# Altium PCB PS29_XYD.PCBDOC (part 3 of 3)
Units mm, origin at the board's own origin, x right, y up, seen from the top; angles counter-clockwise.
Board outline 221.69 x 138.99 mm, 2 copper layers (Top Layer, Bottom Layer); 241 components, 174 nets, 760 pads, 820 vias.
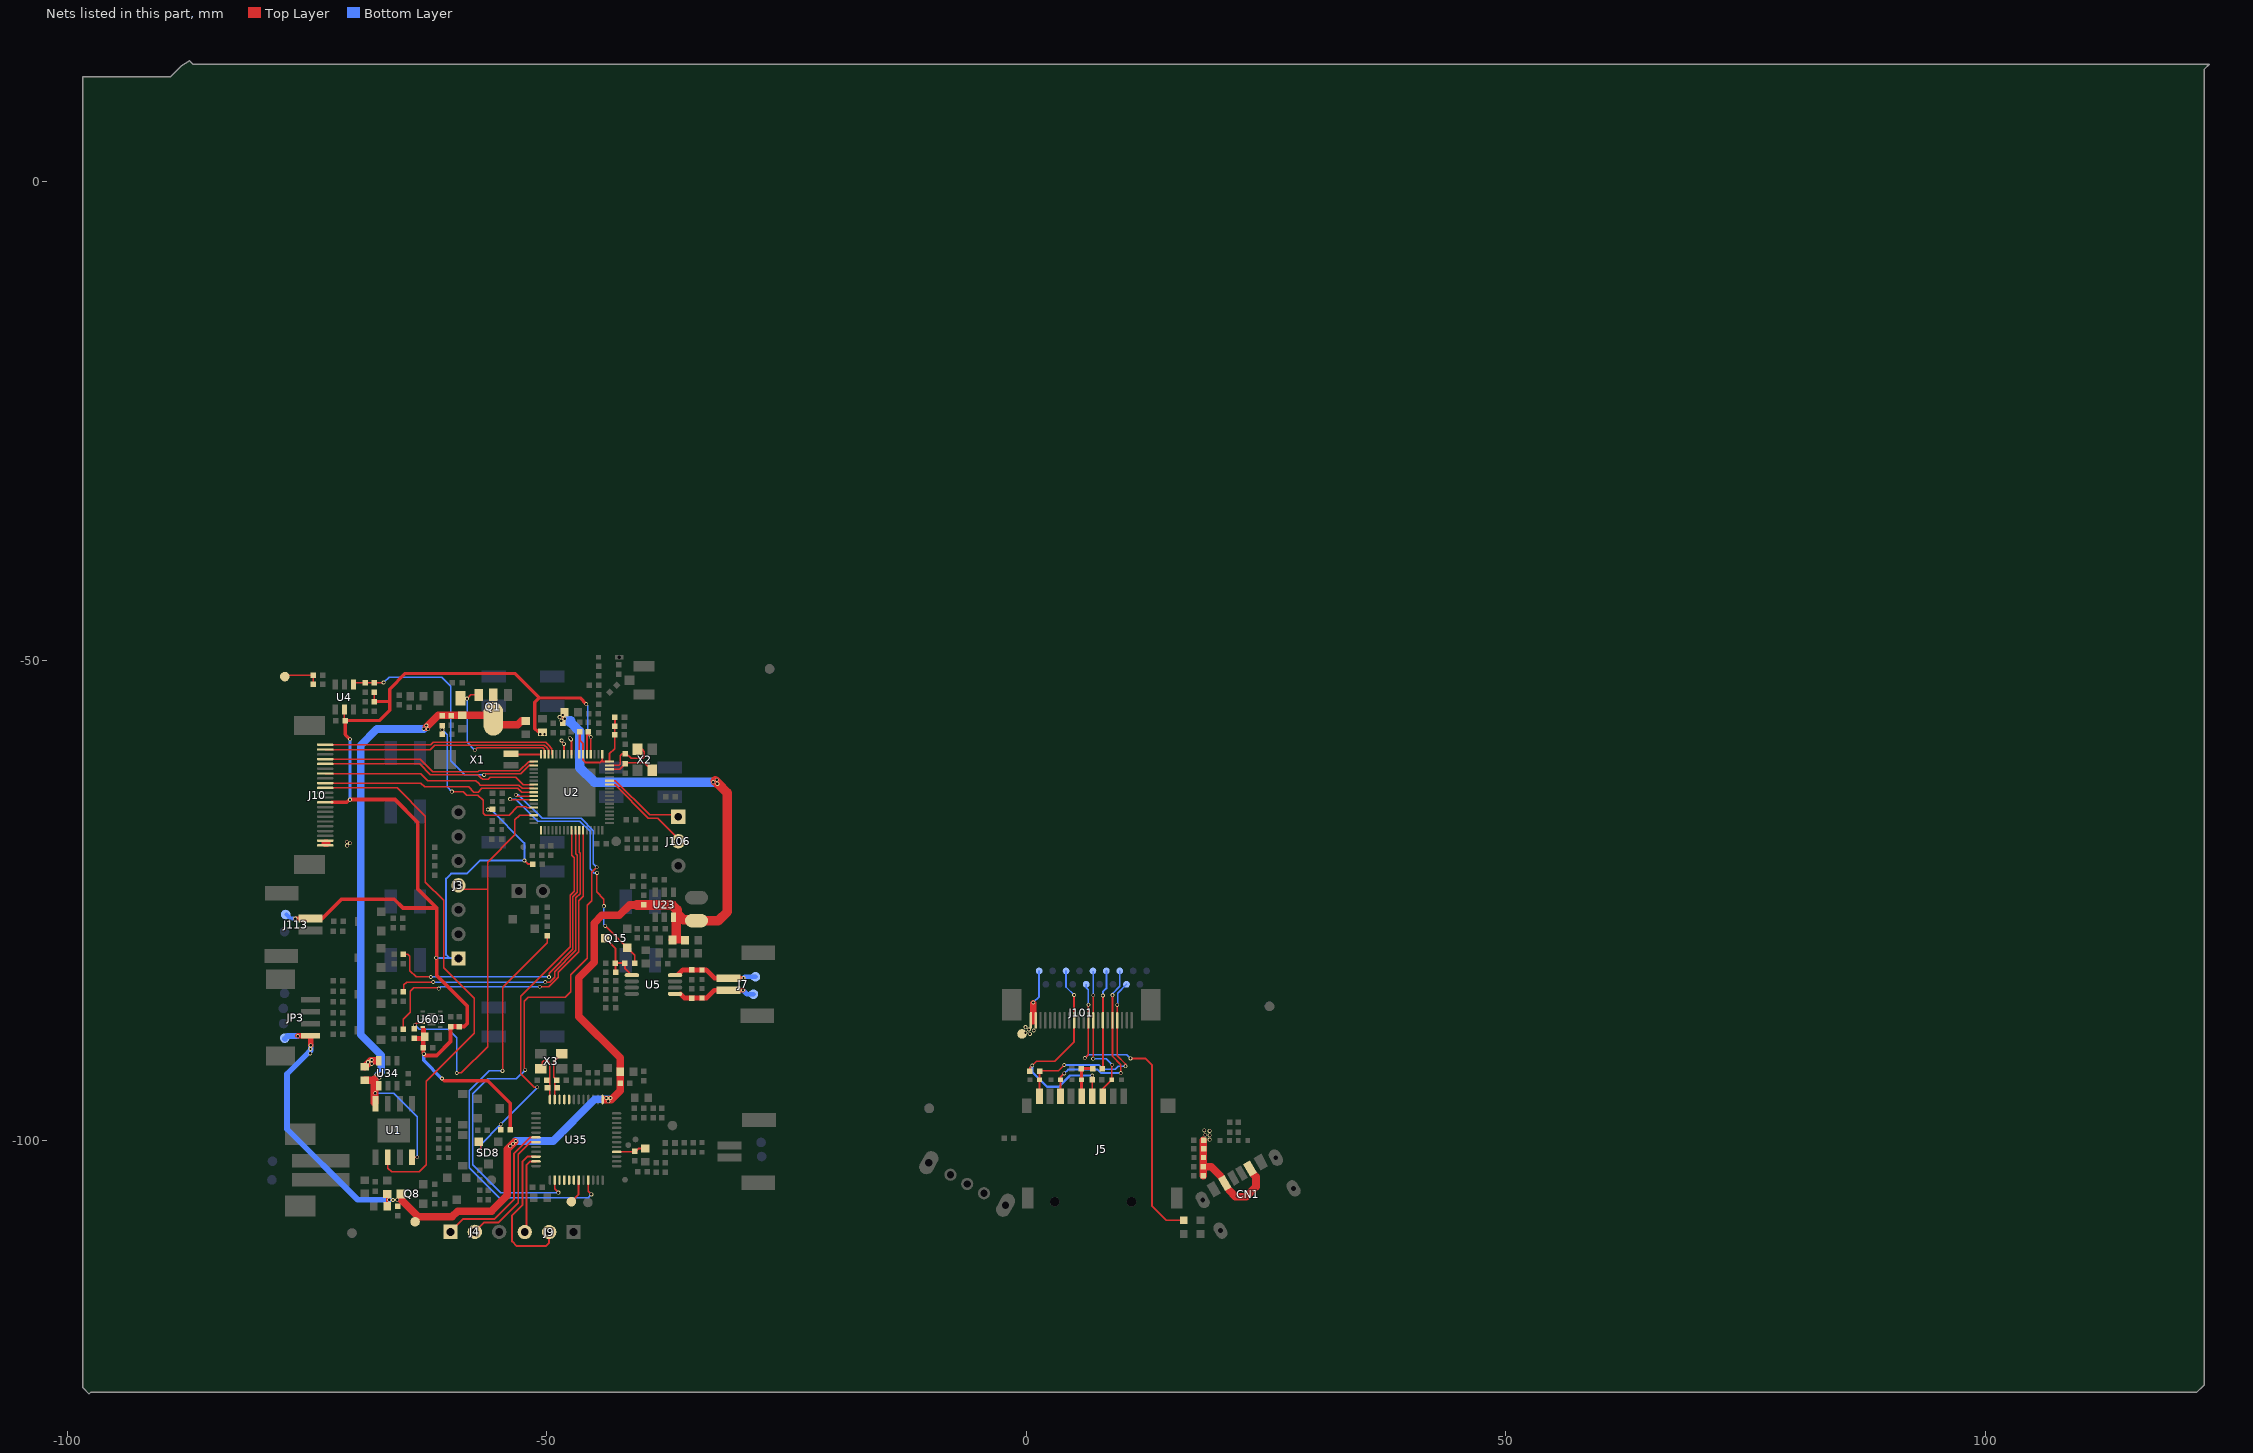
[diagram p3: the nets of this part, all layers, seen from the top]

## Via types
v1: diameter 0.4, hole 0.25, Top Layer to Bottom Layer, 820 vias

## Nets (pads, with @x,y where several pads share a name; then routed paths per layer and width w, separated by ;. In a path a pad name is that pad's centre, name@x,y a point inside that pad or via, vN(x,y) a via of type N, cw(c..) or ccw(c..) an arc to the next point about the centre after c; other vN are vias at no path point) (continued)
POWER_ON: R151.1 SD8.2 U2.43 | length 40.7
  Top Layer w0.15: v1@-56.881,-101.104 -56.881,-101.092 SD8.2@-56.881,-100.349 ; R151.1@-54.797,-98.919 v1(-54.797,-98.352) ; -51.762,-94.022 -51.937,-93.847 ; v1@-51.052,-94.492 -51.292,-94.492 -51.937,-93.847 ; U2.43@-47.357,-67.728 U2.43@-47.409,-67.677 -47.409,-70.282 -47.122,-70.568 -47.122,-74.037 -47.572,-74.487 -47.572,-79.832 -52.722,-84.982 -52.722,-93.062 -51.937,-93.847
  Bottom Layer w0.15: v1(-56.902,-101.092) -56.902,-100.457 v1(-54.797,-98.352) ; v1@-54.797,-98.347 v1@-50.992,-94.543
  other v1: -50.992,-94.472
POWER_VSYS: C3.2 C4.1 C26.1 C166.2 C180.1 C181.1 C207.1 FB2.1 JP3.1 L7.2 pad.2 POWER_VSYS.1 Q8.3 R213.1 R276.1 U2.9 U23.6 U35.13 | length 140
  Top Layer w0.2: C3.2@-66.641,-106.883 -66.641,-106.202 R213.1@-66.641,-105.603 ; v1@-53.346,-100.175 -53.237,-100.067 v1@-53.217,-100.047 ; C207.1@-48.31,-56.552 -48.31,-56.252 -48.31,-56.042 v1(-48.31,-55.672) C26.1@-48.31,-55.555 ; C207.1@-48.139,-56.381 -48.139,-56.042 -48.139,-55.672 C26.1@-48.139,-55.384 ; v1(-47.602,-58.051) -47.615,-58.051 -47.624,-58.06 -47.638,-58.075 -47.638,-58.13 -47.515,-58.254 -47.408,-58.361 -47.408,-58.787 ; U2.9@-47.408,-59.777 -47.408,-58.787 ; -47.408,-58.526 -47.408,-58.787 ; -47.408,-58.462 -47.408,-58.787 ; FB2.1@-36.884,-79.107 -36.822,-79.045 FB2.1@-36.822,-79.01 ; U23.6@-36.822,-76.785 U23.6@-36.786,-76.75
  Top Layer w0.6: v1@-75.931,-89.11 JP3.1@-74.613,-89.11 v1(-74.613,-90.112)
  Top Layer w0.8: -65.212,-106.162 -65.202,-106.162 -65.012,-106.352 -63.372,-107.992 -59.882,-107.992 -59.292,-107.402 -55.762,-107.402 -54.112,-105.752 -54.112,-100.942 -53.812,-100.642 -53.527,-100.357 v1@-53.346,-100.175 ; v1@-43.883,-95.77 -43.782,-95.77 -43.572,-95.77 -43.352,-95.77 -43.273,-95.77 -43.229,-95.725 -42.348,-94.844 -42.348,-94.042 C180.1@-42.348,-92.874 -42.348,-91.416 -46.662,-87.102 -46.662,-83.062 -45.052,-81.452 -45.052,-77.372 -44.242,-76.562 -42.432,-76.562 -41.352,-75.482 -40.612,-75.482 ; FB2.1@-36.884,-79.107 C166.2@-35.591,-79.107
  Top Layer w1: -40.612,-75.482 -39.87,-75.482 -36.932,-75.482 -36.41,-76.004 -36.41,-76.374 -35.759,-77.024 -34.382,-77.024 L7.2@-34.129,-77.024 ; FB2.1@-36.517,-78.955 U23.6@-36.517,-76.75 ; L7.2@-34.382,-77.107 -32.098,-77.107 -31.182,-76.192 -31.182,-63.797 -32.165,-62.814 -32.415,-62.564 v1@-32.43,-62.549
  Bottom Layer w0.2: v1(-48.132,-56.042) -47.732,-56.042 -47.492,-56.282
  Bottom Layer w0.6: pad.2@-77.302,-89.432 -77.272,-89.402 -77.012,-89.142 v1(-75.952,-89.142) ; v1(-74.613,-90.112) -74.613,-90.492 -74.613,-90.642 -74.787,-90.817 -77.072,-93.102 -77.072,-98.832 -69.702,-106.202 v1(-66.432,-106.202)
  Bottom Layer w0.8: v1(-53.222,-100.082) -49.332,-100.082 -44.972,-95.722 -43.782,-95.722 -43.572,-95.722 v1@-43.452,-95.722
  Bottom Layer w1: -47.942,-56.282 -47.492,-56.282 ; -47.492,-56.452 -46.562,-57.382 -46.562,-61.142 -45.032,-62.672 v1@-32.672,-62.672
  other v1: -66.022,-106.232 -65.602,-106.212 -53.822,-100.632 -53.512,-100.372 -43.572,-95.932 -43.782,-95.602 -43.352,-95.602 -74.652,-90.952 -74.632,-90.492 -32.202,-62.852 -32.632,-62.672 -32.282,-62.432 -47.472,-58.211 -48.482,-56.252 -48.662,-55.892
PWM1: R288.1 U2.44 | length 33.7
  Top Layer w0.15: R288.1@-64.934,-80.605 -64.472,-80.605 -64.262,-80.815 -64.262,-82.312 -63.592,-82.982 v1(-62.092,-82.982) ; v1@-49.782,-82.922 v1@-49.762,-82.922 ; v1@-49.722,-82.962 -49.727,-82.957 v1(-49.762,-82.992) v1@-49.762,-82.922 ; U2.44@-47.009,-67.677 -46.992,-67.693 -46.992,-70.112 -46.822,-70.282 -46.822,-74.172 -47.272,-74.622 -47.272,-80.087 -49.762,-82.577 v1@-49.762,-82.922
  Bottom Layer w0.15: v1(-62.092,-82.982) -62.082,-82.972 v1@-49.762,-82.972
PWM2: R287.1 U2.45 | length 33.2
  Top Layer w0.15: R287.1@-64.934,-84.517 -64.886,-84.468 -64.886,-83.795 -64.602,-83.512 v1(-61.832,-83.512) ; v1(-50.162,-83.522) -49.691,-83.522 -49.187,-83.017 -49.187,-82.426 -46.952,-80.192 -46.952,-74.747 -46.522,-74.317 -46.522,-70.088 -46.609,-70.002 U2.45@-46.609,-67.677
  Bottom Layer w0.15: v1@-61.832,-83.522 v1(-50.162,-83.522)
PWM3: R286.2 U2.46 | length 37
  Top Layer w0.15: R286.2@-64.954,-88.421 -64.954,-87.392 -64.232,-86.67 -64.232,-84.492 -63.872,-84.132 -61.322,-84.132 v1(-61.262,-84.192) ; U2.46@-46.209,-67.677 -46.209,-74.583 -46.652,-75.027 -46.652,-80.362 -48.775,-82.484 -48.775,-83.029 -49.765,-84.019 v1@-50.715,-84.019 ; v1(-50.732,-84.002) ccw(c-50.695,-84.002) -50.695,-84.039 cw(c-50.695,-84.002) v1(-50.732,-84.002) ; v1(-50.732,-84.002) ccw(c-50.715,-84.002) v1@-50.715,-84.019 ; v1(-50.732,-84.002) ccw(c-50.72,-84.002) -50.72,-84.014 cw(c-50.72,-84.002) v1(-50.732,-84.002) ; v1(-50.732,-84.002) ccw(c-50.715,-84.002) v1@-50.715,-84.019
  Bottom Layer w0.15: v1(-61.262,-84.192) -61.072,-84.002 v1(-50.732,-84.002) v1@-50.722,-84.002
RGB_INTN: J3.4 R528.1 U2.32 U601.4 | length 46.1
  Top Layer w0.15: R528.1@-63.792,-88.381 -63.792,-87.982 -63.777,-87.967 -63.603,-87.792 U601.4@-62.935,-87.792 ; v1(-59.382,-92.992) -58.922,-92.992 -56.162,-90.232 -56.162,-77.911 ; J3.4@-59.202,-73.862 -56.192,-73.862 ; -56.162,-79.792 -56.162,-77.911 ; U2.32@-51.358,-66.127 -52.828,-66.127 -53.312,-66.612 -53.312,-68.172 -56.162,-71.022 -56.162,-77.911
  Bottom Layer w0.15: v1(-63.762,-87.982) -63.312,-88.432 -60.272,-88.432 -59.382,-89.322 v1(-59.382,-92.992)
SD0_CDN: D5.1 J5.9 J101.19 pad.22 R22.2 | length 21.7
  Top Layer w0.18: R22.2@1.38,-92.77 3.03,-92.77 ; 3.298,-92.77 3.03,-92.77 ; v1(3.96,-92.16) 3.35,-92.77 3.03,-92.77 ; v1(9.48,-85.888) J101.19@9.48,-87.504 9.48,-91.2 10.34,-92.06 v1(10.34,-92.29)
  Top Layer w0.2: J5.9@1.375,-95.41 D5.1@1.375,-93.691 R22.2@1.375,-92.828
  Bottom Layer w0.18: v1@3.95,-92.16 v1(3.96,-92.16) 7.6,-92.16 8.04,-92.6 9.27,-92.6 9.59,-92.28 v1@10.32,-92.28 ; v1(9.48,-85.888) 9.52,-85.848 9.52,-84.671 pad.22@10.44,-83.751
SD0_CLK: J101.16 pad.18 R33.1 | length 10.2
  Top Layer w0.2: R33.1@7.98,-92.41 J101.16@7.98,-87.504 v1(7.98,-84.91)
  Bottom Layer w0.2: v1(7.98,-84.91) 7.98,-84.54 8.34,-84.18 pad.18@8.34,-82.351
SD0_CMD: D8.1 J5.3 J101.14 pad.17 | length 14.9
  Top Layer w0.15: v1@6.98,-91.36 J101.14@6.98,-87.504 v1(6.98,-84.894)
  Top Layer w0.18: J5.3@7.964,-95.42 7.964,-94.636 D8.1@8.909,-93.691 8.909,-92.181 v1(8.95,-92.14)
  Bottom Layer w0.15: v1(6.98,-84.894) pad.17@6.98,-82.39
  Bottom Layer w0.18: v1(6.96,-91.51) 8.32,-91.51 v1(8.95,-92.14)
SD0_DAT0: D10.1 J5.7 J101.18 pad.21 | length 20.1
  Top Layer w0.18: v1(8.98,-84.875) J101.18@8.98,-87.504 8.98,-91.26 9.84,-92.12 v1(9.84,-93.01)
  Top Layer w0.2: J5.7@3.559,-95.415 D10.1@3.559,-93.691 3.559,-93.431 v1@3.955,-93.035
  Bottom Layer w0.18: v1(8.98,-84.875) 8.98,-84.716 9.74,-83.956 pad.21@9.74,-82.351
  Bottom Layer w0.2: v1(3.96,-93.03) 4.35,-92.64 7.45,-92.64 7.82,-93.01 v1(9.84,-93.01)
SD_CD: J10.19 U2.18 | length 22.8
  Top Layer w0.15: J10.19@-73.093,-60.27 -63.172,-60.27 -61.879,-61.563 -57.142,-61.563 -57.066,-61.487 -56.356,-61.487 -56.346,-61.497 -52.867,-61.497 -51.897,-60.527 U2.18@-51.358,-60.527 U2.18@-51.398,-60.487
SD_CMD: J10.14 U2.26 | length 22.5
  Top Layer w0.15: J10.14@-73.093,-62.77 -63.134,-62.77 -62.732,-63.172 -58.122,-63.172 -57.592,-63.702 -57.161,-63.702 -56.761,-63.302 -53.027,-63.302 -52.601,-63.727 U2.26@-51.358,-63.727
SD_D0: J10.18 U2.24 | length 22.8
  Top Layer w0.15: J10.18@-73.093,-60.77 -63.234,-60.77 -62.121,-61.883 -57.172,-61.883 -56.858,-62.197 ; -56.858,-62.197 -56.693,-62.362 -56.102,-62.362 -55.887,-62.146 -53.226,-62.146 -52.446,-62.927 U2.24@-51.358,-62.927
SD_DCLK: J10.16 U2.25 | length 22.4
  Top Layer w0.15: J10.16@-73.093,-61.77 -63.154,-61.77 -62.422,-62.502 -57.402,-62.502 -57.107,-62.797 -56.906,-62.996 -52.908,-62.996 -52.577,-63.327 U2.25@-51.358,-63.327
SDIO_CLK: U35.21
SDIO_CMD: U35.22
SDIO_DAT: U35.20
SDP_CLK: J9.2 U35.34 | length 16.1
  Top Layer w0.2: U35.34@-51.118,-101.706 -52.026,-101.706 -52.542,-102.222 -52.542,-106.762 -53.612,-107.832 -53.612,-110.552 -53.132,-111.032 -50.092,-111.032 -49.747,-110.686 J9.2@-49.747,-109.572 ; J9.2@-49.767,-109.572 J9.2@-49.767,-109.232
SDP_DAT: J9.3 U35.35 | length 7.8
  Top Layer w0.2: J9.3@-52.322,-109.188 -52.112,-108.978 -52.112,-102.622 -51.696,-102.206 U35.35@-51.118,-102.206
SPIS_CLK: U35.40
SPIS_CS: U35.42
SPIS_INT: U2.27 U35.38 | length 68.1
  Top Layer w0.15: v1(-53.212,-63.982) -53.067,-64.127 U2.27@-51.358,-64.127 ; -52.342,-91.722 -52.342,-91.131 ; v1(-52.232,-92.672) -52.342,-92.562 -52.342,-91.131 ; U35.38@-49.168,-104.156 -49.168,-105.056 v1@-48.792,-105.432 ; v1@-44.762,-71.572 v1(-44.782,-71.552) -45.282,-72.052 -45.282,-75.042 -45.752,-75.512 -45.752,-81.052 -47.472,-82.772 -47.472,-84.532 -48.052,-85.112 -51.932,-85.112 -52.342,-85.522 -52.342,-91.131
  Bottom Layer w0.15: v1(-53.212,-63.982) -52.962,-63.982 -50.492,-66.452 -46.418,-66.452 -45.142,-67.727 -45.142,-71.192 v1(-44.782,-71.552) ; v1@-52.242,-92.682 -53.162,-93.602 -56.142,-93.602 -57.692,-95.152 -57.692,-102.552 -54.782,-105.462 v1(-48.782,-105.462)
SPIS_MISO: U35.39
SPIS_MOSI: U35.41
SPIS_WAKEUP: R338.2 U35.45 | length 44.1
  Top Layer w0.15: v1@-54.602,-92.752 -54.602,-84.052 -49.942,-79.392 R338.2@-49.942,-78.682
  Top Layer w0.2: U35.45@-45.668,-104.156 -45.668,-105.326 v1(-45.342,-105.652)
  Bottom Layer w0.15: v1(-54.612,-92.772) -56.012,-92.772 -58.072,-94.832 -58.072,-102.882 -54.972,-105.982 -45.672,-105.982 v1(-45.342,-105.652)
SPK+: J7.2 R47.1 SPK+.1 U5.8 V4.1 | length 8.6
  Top Layer w0.5: U5.8@-36.263,-82.714 -35.796,-82.247 R47.1@-34.868,-82.247 -33.818,-82.247 -33.367,-82.247 -32.497,-83.117 J7.2@-31.037,-83.117 ; J7.2@-31.041,-83.112 -31.037,-83.112 v1@-29.502,-83.112
  Bottom Layer w0.5: v1(-29.482,-83.092) -29.352,-82.962 SPK+.1@-28.242,-82.962
SPK-: C49.2 J7.1 SPK-.1 U5.5 V5.1 | length 8.3
  Top Layer w0.5: U5.5@-36.061,-84.744 -35.621,-85.184 -34.858,-85.184 V5.1@-33.818,-85.184 -33.348,-85.184 -32.531,-84.367 J7.1@-31.037,-84.367 v1(-29.537,-84.367)
  Bottom Layer w0.5: v1(-29.537,-84.367) -29.122,-84.782 SPK-.1@-28.452,-84.782
SPK_MUTE: Q15.1 R294.2 U2.28 | length 28.1
  Top Layer w0.15: v1(-53.812,-64.442) -53.727,-64.527 U2.28@-51.358,-64.527 ; v1(-44.742,-72.132) -44.802,-72.192 -44.802,-74.102 -44.042,-74.862 v1(-44.042,-75.592) ; v1@-43.882,-77.668 Q15.1@-41.604,-79.946 -40.843,-80.708 R294.2@-40.843,-81.546
  Bottom Layer w0.15: v1(-53.812,-64.442) -53.232,-64.442 -50.922,-66.752 -46.542,-66.752 -45.482,-67.812 -45.482,-71.712 -45.022,-72.172 -44.782,-72.172 v1(-44.742,-72.132) ; v1(-44.042,-75.592) -44.042,-77.502 v1(-43.892,-77.652)
SPK_MUTE2: TP97.1 U35.43 | length 2.6
  Top Layer w0.2: TP97.1@-47.432,-106.412 -46.668,-105.648 U35.43@-46.668,-104.156
SPK_MUTE_1: Q15.3 R42.1 R293.2 R294.1 U5.1 | length 6.5
  Top Layer w0.2: Q15.3@-43.904,-78.946 -42.845,-80.006 R293.2@-42.845,-81.535 ; R42.1@-42.845,-82.451 R293.2@-42.845,-81.535 ; R294.1@-41.854,-81.535 R293.2@-42.845,-81.535 ; R294.1@-41.843,-81.546 -41.843,-82.073 U5.1@-41.122,-82.794
STDBY: J10.13 U1.6 | length 57.8
  Top Layer w0.15: J10.13@-73.093,-63.27 -65.604,-63.27 -62.642,-66.232 -62.642,-73.102 -60.737,-75.007 -60.737,-82.007 -57.557,-85.187 -57.557,-88.847 -62.562,-93.852 -62.562,-102.582 -63.282,-103.302 -66.172,-103.302 -66.576,-102.898 U1.6@-66.576,-101.785
STDBY1: D13.2 J101.13 pad.16 | length 34.2
  Top Layer w0.15: v1@6.14,-91.42 6.48,-91.08 J101.13@6.48,-87.504 v1(6.48,-85.885)
  Top Layer w0.2: v1(10.86,-91.47) 12.42,-91.47 13.11,-92.16 13.11,-106.87 14.582,-108.342 D13.2@16.407,-108.342
  Bottom Layer w0.15: v1(6.09,-91.44) 6.465,-91.065 10.455,-91.065 v1(10.86,-91.47) ; pad.16@6.24,-83.751 6.24,-84.12 6.46,-84.34 6.46,-85.866 v1(6.48,-85.885)
TF_CLK: C27.1 D9.1 J5.5 R33.2 | length 3.9
  Top Layer w0.3: D9.1@5.743,-93.697 C27.1@5.743,-92.527 R33.2@6.707,-92.527 ; C27.1@5.749,-92.497 C27.1@5.749,-92.483 ; J5.5@5.764,-95.42 D9.1@5.764,-93.718
TOUCH_VOICE: C215.1 R115.2 TP109.1 | length 3.8
  Top Layer w0.15: TP109.1@-77.157,-51.523 C215.1@-74.355,-51.523 R115.2@-74.355,-52.488
UART0_RXD: J4.2 U35.31 | length 13.2
  Top Layer w0.2: J4.2@-57.497,-109.562 -56.497,-108.562 -55.022,-108.562 -52.972,-106.512 -52.972,-101.462 -51.716,-100.206 U35.31@-51.118,-100.206
UART0_TXD: J4.1 U35.30 | length 15.8
  Top Layer w0.2: J4.1@-60.037,-109.562 -58.687,-108.212 -55.422,-108.212 -53.412,-106.202 -53.412,-101.392 -51.726,-99.706 U35.30@-51.118,-99.706
UART1_RXD: J106.2 U2.62 | length 9.5
  Top Layer w0.15: U2.62@-43.459,-62.928 -43.434,-62.953 -42.867,-62.953 -39.4,-66.419 -38.435,-66.419 J106.2@-36.272,-68.582
UART1_TXD: J106.1 U2.63 | length 8.7
  Top Layer w0.15: U2.63@-43.459,-62.528 -42.835,-62.528 -39.282,-66.081 -36.312,-66.081 J106.1@-36.272,-66.042
USB-5V: C1.1 C2.1 CN1.A9 CN1.B9 J101.1 J101.2 pad.29 R5.2 R6.2 TP13.1 V1.1 | length 15.9
  Top Layer w0.7: 0.722,-87.606 0.722,-87.504 v1@0.722,-85.745
  Top Layer w0.8: R5.2@18.455,-103.693 R6.2@18.455,-102.753 18.455,-101.81 18.455,-100.885 C2.1@18.455,-100.009 ; R6.2@18.654,-102.753 19.283,-102.753 20.229,-103.699 ; 21.144,-105.223 21.804,-105.883 22.922,-105.883 23.938,-104.867 23.938,-103.801 23.734,-103.597
  Bottom Layer w0.2: v1(0.722,-85.643) 1.34,-85.025 pad.29@1.34,-82.351
  other v1: 19.112,-99.94 19.112,-99.483 18.654,-99.432 19.112,-99.025 18.553,-98.975 0.366,-88.916 -0.091,-88.815 0.773,-88.561 0.265,-88.459 -0.091,-88.205
USB-VBUS: C29.2 C249.1 FB1.1 Q1.2 R30.1 R206.2 U1.4 U1.8 U34.4 | length 68.5
  Top Layer w0.15: U1.4@-67.862,-96.268 -67.862,-96.185 U1.4@-67.862,-95.432 ; U1.8@-64.036,-101.785 v1@-63.499,-101.785
  Top Layer w0.8: R206.2@-68.962,-93.752 -67.963,-93.752 ; U1.4@-67.963,-96.068 -67.963,-95.092 -67.963,-94.322 -67.963,-93.752 ; -67.963,-93.662 -67.963,-93.752 ; v1@-62.567,-56.957 -62.457,-56.847 -61.31,-55.7 -60.872,-55.7 -59.946,-55.7 C29.2@-58.818,-55.7 -55.937,-55.7 Q1.2@-55.567,-56.069 -54.935,-56.702 -53.032,-56.702 -52.612,-56.282 -52.202,-56.282 FB1.1@-52.152,-56.282
  Bottom Layer w0.15: v1(-67.872,-95.092) -65.942,-95.092 -63.492,-97.541 v1(-63.492,-101.77)
  Bottom Layer w0.8: -67.542,-93.162 -67.397,-93.017 -67.252,-92.872 -67.252,-91.132 -69.382,-89.002 -69.382,-58.812 -67.692,-57.122 v1(-62.812,-57.122)
  other v1: -67.442,-93.492 -67.742,-93.172 -67.332,-93.082 -62.362,-57.162 -62.542,-56.762
USB-VBUS_1: J10.1 J10.2 R206.1 U34.3 | length 1.7
  Top Layer w0.8: -73.093,-69.042 -72.961,-69.042 ; R206.1@-68.962,-92.352 -68.552,-91.942 -68.447,-91.837 -68.333,-91.722 -68.252,-91.722 -68.242,-91.722 U34.3@-67.652,-91.722
  other v1: -68.242,-92.042 -68.632,-91.862 -68.252,-91.642 -70.812,-69.282 -70.492,-69.042 -70.842,-68.882
USB_DET: R29.1 R30.2 U2.30 | length 18.2
  Top Layer w0.15: R29.1@-60.872,-57.661 v1(-60.872,-57.212) R30.2@-60.872,-56.772 ; v1@-59.942,-63.652 v1(-59.882,-63.652) -58.722,-63.652 -58.362,-64.012 -57.172,-64.012 -56.602,-64.582 -56.602,-65.932 -56.402,-66.132 -53.922,-66.132 -53.052,-65.262 -52.152,-65.262 -52.082,-65.332 U2.30@-51.662,-65.332
  Bottom Layer w0.15: v1@-60.882,-57.212 -60.877,-57.217 -60.372,-57.722 -60.372,-63.162 v1(-59.882,-63.652)
USB_DN: J10.22 U2.14 | length 24.7
  Top Layer w0.15: J10.22@-73.093,-58.77 -62.08,-58.77 -61.813,-58.502 -50.111,-58.502 -49.647,-58.966 -49.647,-59.036 -49.473,-59.21 -49.473,-59.712 U2.14@-49.408,-59.777
USB_DP: J10.21 U2.15 | length 24.2
  Top Layer w0.15: J10.21@-73.093,-59.27 -62.156,-59.27 -61.689,-58.802 -50.235,-58.802 -49.947,-59.091 -49.947,-59.16 -49.808,-59.299 U2.15@-49.808,-59.777
VCC-TF: C25.2 J5.4 J101.10 pad.13 R22.1 | length 24.1
  Top Layer w0.18: R22.1@0.374,-92.828 0.374,-92.446 v1(0.61,-92.21) 1.059,-91.761 2.959,-91.761 4.98,-89.74 J101.10@4.98,-87.504 v1(4.98,-84.862) ; J5.4@6.864,-95.42 C25.2@6.864,-93.704 ; C25.2@6.877,-93.691 v1(6.877,-93.25)
  Bottom Layer w0.18: pad.13@4.14,-82.351 4.14,-84.022 v1(4.98,-84.862)
  Bottom Layer w0.25: v1(0.61,-92.21) 0.61,-92.88 2.15,-94.42 3.4,-94.42 4.57,-93.25 v1(6.877,-93.25)
VCC_3.0: C13.1 C14.1 C108.1 R54.1 U2.1 U2.6 U2.7 U2.68 | length 14.2
  Top Layer w0.2: U2.7@-46.608,-59.777 C108.1@-46.608,-57.534 ; C108.1@-46.608,-57.547 C108.1@-46.608,-57.534 ; C108.1@-46.596,-57.522 C108.1@-46.608,-57.534 ; C108.1@-46.545,-57.42 -46.545,-58.315 -46.208,-58.651 U2.6@-46.208,-59.777 -46.208,-60.386 -45.952,-60.642 -44.472,-60.642 -44.358,-60.528 ; U2.1@-44.208,-59.557 U2.1@-44.208,-59.777 -44.208,-60.377 -44.358,-60.528 ; C14.1@-42.938,-56.857 C14.1@-42.91,-56.857 ; R54.1@-42.893,-55.922 -42.893,-56.815 cw(c-42.951,-56.815) C14.1@-42.91,-56.857 ; -44.358,-60.528 U2.68@-43.459,-60.528 -43.459,-59.728 -42.91,-59.179 C13.1@-42.91,-57.72 C14.1@-42.91,-56.857
VIO: C16.1 C32.1 C121.1 C253.1 C254.1 J3.1 J10.10 J113.1 pad.6 R19.2 R118.1 R139.2 R140.2 R151.2 R163.1 R382.1 R528.2 U2.4 U2.5 U2.11 U4.5 U601.5 | length 161.3
  Top Layer w0.15: C32.1@-71.091,-56.174 U4.5@-71.091,-55.101 ; v1@-70.522,-58.202 v1@-70.452,-58.272 ; R19.2@-67.962,-54.271 R118.1@-67.962,-53.29 ; C254.1@-62.866,-90.338 -62.71,-90.183 C254.1@-62.71,-90.338 ; R139.2@-60.02,-88.248 R139.2@-60.02,-88.148
  Top Layer w0.2: J113.1@-74.609,-76.892 J113.1@-73.633,-76.892 ; J3.1@-59.202,-81.272 J3.1@-59.202,-81.052 ; v1(-56.132,-65.522) R163.1@-55.653,-65.522 ; v1@-52.322,-70.832 -51.942,-71.212 R382.1@-51.463,-71.212 ; v1(-48.452,-58.331) -48.456,-58.335 -48.456,-58.43 v1(-48.208,-58.678) U2.11@-48.208,-59.777 ; U2.5@-45.798,-59.777 -45.798,-59.092 ; -45.798,-58.924 -45.798,-59.092 ; C16.1@-45.798,-57.639 -45.798,-59.092 ; C16.1@-45.681,-57.522 -45.681,-57.674 -45.408,-57.947 -45.408,-57.972 U2.4@-45.408,-59.777
  Top Layer w0.35: J10.10@-72.441,-64.782 -70.832,-64.782 v1@-70.527,-64.477 ; v1@-70.522,-58.202 -71.018,-57.706 C32.1@-71.018,-56.247 -67.458,-56.247 -66.372,-55.162 -66.372,-52.962 -64.752,-51.342 -53.352,-51.342 -50.802,-53.892 ; R19.2@-67.962,-54.271 -66.381,-54.271 ; v1(-60.922,-93.572) -60.702,-93.792 -56.152,-93.792 -53.797,-96.147 R151.2@-53.797,-98.919 ; C121.1@-50.436,-57.455 -50.456,-57.435 -50.514,-57.377 -50.69,-57.377 -50.952,-57.377 -51.232,-57.097 -51.232,-54.322 -50.802,-53.892 ; v1(-45.882,-54.532) -46.522,-53.892 -50.802,-53.892
  Top Layer w0.4: v1(-76.203,-76.892) J113.1@-74.609,-76.892 -73.403,-76.892 -71.392,-74.882 -65.892,-74.882 -64.972,-75.802 -61.462,-75.802 ; v1(-70.512,-64.492) -65.822,-64.492 -63.452,-66.862 -63.452,-73.812 -61.462,-75.802 ; C254.1@-62.866,-90.338 -62.866,-90.938 v1(-62.806,-90.998) -62.632,-91.172 -61.472,-91.172 -60.02,-89.719 R139.2@-60.02,-88.148 ; R140.2@-59.115,-88.148 -58.599,-88.148 -58.282,-87.832 -58.282,-85.992 -61.462,-82.812 -61.462,-80.982 -61.462,-75.802
  Top Layer w0.5: R528.2@-63.792,-89.382 C253.1@-62.871,-89.382 ; C254.1@-62.866,-90.338 -62.866,-89.377 C253.1@-62.71,-89.221 -62.842,-89.089 -62.842,-88.442 ; R139.2@-60.02,-88.148 R140.2@-59.115,-88.148
  Bottom Layer w0.15: v1(-70.512,-64.492) v1@-70.442,-64.422
  Bottom Layer w0.2: v1@-61.512,-80.992 -60.182,-80.992 ; J3.1@-59.202,-81.052 -59.262,-80.992 -60.182,-80.992 ; v1(-56.132,-65.522) -55.832,-65.522 -52.332,-69.022 v1(-52.332,-70.842) -56.972,-70.842 -58.332,-72.202 -59.972,-72.202 -60.492,-72.722 -60.492,-80.682 -60.182,-80.992 ; v1(-45.882,-54.532) -45.722,-54.692 -45.722,-57.662 v1(-45.412,-57.972)
  Bottom Layer w0.35: v1(-70.512,-64.492) v1(-70.512,-58.192) v1@-70.512,-58.172 ; v1(-62.806,-90.998) -62.806,-91.688 v1(-60.922,-93.572)
  Bottom Layer w0.4: pad.6@-77.122,-76.472 -76.702,-76.892 v1(-76.203,-76.892)
  other v1: -61.532,-80.982 -50.69,-57.67 -50.233,-57.67
VMID: C36.1 C37.1 U35.4 | length 3
  Top Layer w0.2: U35.4@-42.359,-101.205 -40.835,-101.205 C37.1@-40.725,-101.205 ; C37.1@-40.759,-101.238 C37.1@-40.725,-101.205 ; C36.1@-39.717,-100.861 C36.1@-39.768,-100.861 ; C36.1@-39.717,-100.81 -39.743,-100.835 C36.1@-39.768,-100.861 ; C37.1@-40.725,-101.205 -40.381,-100.861 C36.1@-39.768,-100.861
  Top Layer w0.254: C36.1@-39.819,-100.708 C36.1@-39.768,-100.658
VOICE: C119.1 R118.2 U2.19 U4.1 | length 30.3
  Top Layer w0.15: U4.1@-70.34,-52.289 -70.141,-52.289 C119.1@-68.927,-52.289 R118.2@-67.962,-52.289 -67.155,-52.289 v1@-67.082,-52.362 ; v1@-56.552,-61.942 -56.527,-61.917 -56.407,-61.797 -54.332,-61.797 ; -56.177,-61.797 -54.332,-61.797 ; -53.357,-61.797 -53.282,-61.797 ; U2.19@-51.358,-60.927 -51.836,-60.927 -52.706,-61.797 -53.282,-61.797 ; -54.332,-61.797 -53.282,-61.797